# KiCad board P5S533-TVM ISA R101G.kicad_pcb (continued)
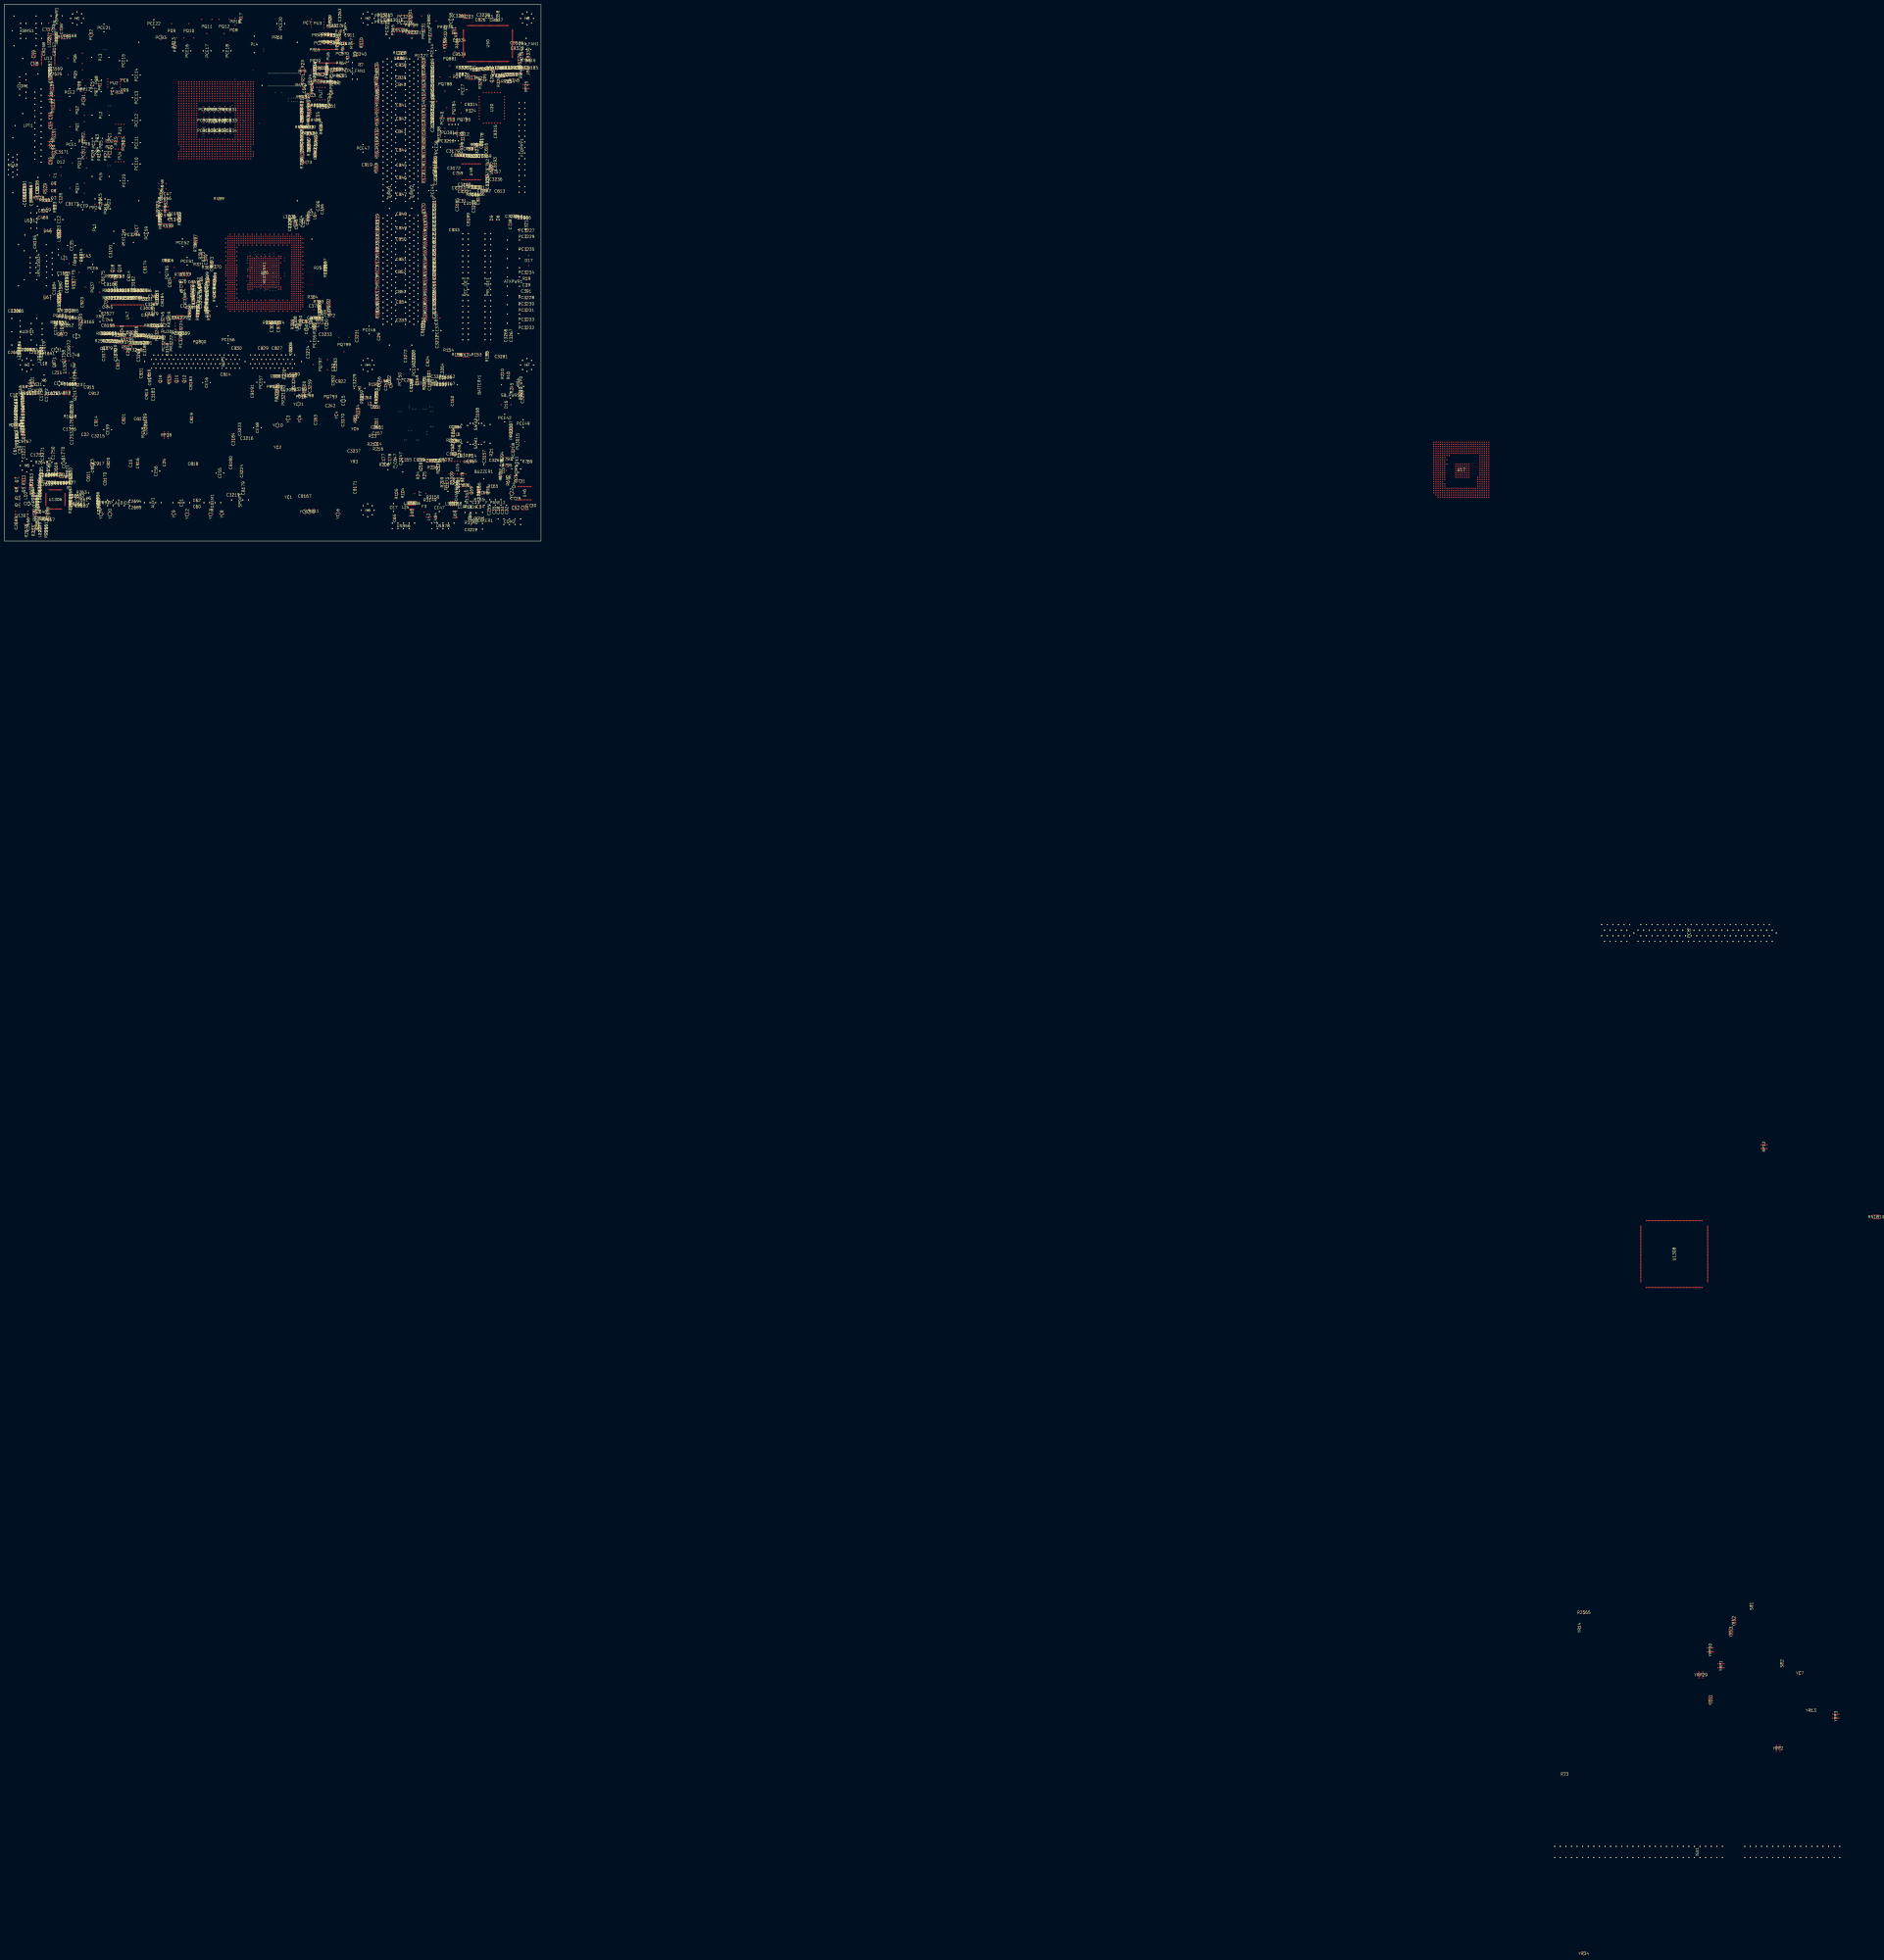
[diagram p0: board, top side]
## Footprints (pads in the part's own frame, mm; a bottom-side part is the same pattern mirrored in y, then rotated) (continued)
BOX_HD_2X17P_100_K5_D46_LF3
  round 0.6 hole 0.4: 1(-20.32,-1.27) 2(-20.32,1.27) 3(-17.78,-1.27) 4(-17.78,1.27) 6(-15.24,1.27) 7(-12.7,-1.27) 8(-12.7,1.27) 9(-10.16,-1.27) 10(-10.16,1.27) 11(-7.62,-1.27) 12(-7.62,1.27) 13(-5.08,-1.27) 14(-5.08,1.27) 15(-2.54,-1.27) 16(-2.54,1.27) 17(0,-1.27) 18(0,1.27) 19(2.54,-1.27) 20(2.54,1.27) 21(5.08,-1.27) 22(5.08,1.27) 23(7.62,-1.27) 24(7.62,1.27) 25(10.16,-1.27) 26(10.16,1.27) 27(12.7,-1.27) 28(12.7,1.27) 29(15.24,-1.27) 30(15.24,1.27) 31(17.78,-1.27) 32(17.78,1.27) 33(20.32,-1.27) 34(20.32,1.27)
BOX_HD_2X20P_100_K20D46_LF3
  round 0.6 hole 0.4: 1(-24.13,-1.27) 2(-24.13,1.27) 3(-21.59,-1.27) 4(-21.59,1.27) 5(-19.05,-1.27) 6(-19.05,1.27) 7(-16.51,-1.27) 8(-16.51,1.27) 9(-13.97,-1.27) 10(-13.97,1.27) 11(-11.43,-1.27) 12(-11.43,1.27) 13(-8.89,-1.27) 14(-8.89,1.27) 15(-6.35,-1.27) 16(-6.35,1.27) 17(-3.81,-1.27) 18(-3.81,1.27) 19(-1.27,-1.27) 21(1.27,-1.27) 22(1.27,1.27) 23(3.81,-1.27) 24(3.81,1.27) 25(6.35,-1.27) 26(6.35,1.27) 27(8.89,-1.27) 28(8.89,1.27) 29(11.43,-1.27) 30(11.43,1.27) 31(13.97,-1.27) 32(13.97,1.27) 33(16.51,-1.27) 34(16.51,1.27) 35(19.05,-1.27) 36(19.05,1.27) 37(21.59,-1.27) 38(21.59,1.27) 39(24.13,-1.27) 40(24.13,1.27)
BUZZER_256_BD472_H394_LF3
  round 0.6 hole 0.4: 1(0,-3.251) 2(0,3.251)
C0402
  round 0.6 smd: 1(0,-0.432) 2(0,0.457)
C0402#2
  round 0.6 smd: 1(0,-0.457) 2(0,0.432)
C0402#3
  round 0.6 smd: 1(0,-0.432) 2(0,0.432)
C0402#4
  round 0.6 smd: 1(0,-0.457) 2(0,0.457)
C0402#5
  round 0.6 smd: 1(0,0.457) 2(0,0.457)
C0402#6
  round 0.6 smd: 1(0,0.635) 2(0,0.635)
C0402#7
  round 0.6 smd: 1(0,0.457) 2(0,-0.432)
C0402#8
  round 0.6 smd: 1(0,0.432) 2(0,-0.457)
C0603
  round 0.6 smd: 1(0,-0.635) 2(0,0.635)
C0603#2
  round 0.6 smd: 1(0,0.457) 2(0,0.457)
C0603#3
  round 0.6 smd: 1(0,0.635) 2(0,0.635)
C0603#4
  round 0.6 smd: 1(0,0.635) 2(0,-0.635)
C0805
  round 0.6 smd: 1(0,-1.041) 2(0,1.041)
C0805_H57
  round 0.6 smd: 1(0,-1.041) 2(0,1.016)
C1206
  round 0.6 smd: 1(0,-1.676) 2(0,1.676)
C1206#2
  round 0.6 smd: 1(0,0.635) 2(0,0.635)
C1206#3
  round 0.6 smd: 1(0,0.457) 2(0,0.457)
C1206_H75
  round 0.6 smd: 1(0,-1.676) 2(0,1.676)
C1206_RD9
  round 0.6 smd: 1(0,-1.321) 2(0,1.321)
C7343D_H122
  round 0.6 smd: 1(0,-3.277) 2(0,3.277)
C_ARRAY_8P_126X63
  round 0.6 smd: 1(-1.194,-0.864) 2(-1.194,0.864) 3(-0.406,-0.864) 4(-0.406,0.864) 5(0.406,-0.864) 6(0.406,0.864) 7(1.194,-0.864) 8(1.194,0.864)
C_ARRAY_8P_126X63#2
  round 0.6 smd: 1(-1.194,-0.864) 2(-1.194,0.838) 3(-0.406,-0.864) 4(-0.406,0.838) 5(0.406,-0.864) 6(0.406,0.838) 7(1.194,-0.864) 8(1.194,0.838)
CHOKE_4P_79X47_FUKUI
  round 0.6 smd: 1(0.432,-0.838) 2(0.432,0.838) 3(-0.432,0.838) 4(-0.432,-0.838)
COIL_295_BD669_HD101_3H_LF3
  round 0.6 hole 0.4: 1(0,-3.734) 2(0,3.759)
COIL_307_BD669_HD101_3V_LF3
  round 0.6 hole 0.4: 1(0,-3.912) 2(0,3.912)
COIL_394_BD354_V_H610_LF3
  round 0.6 hole 0.4: 1(0,0.533) 2(0,0.533)
D_SUB_9P_2HOLD_M_LF3
  round 0.6 hole 0.4: 1(-1.422,-5.537) 2(-1.422,-2.769) 3(-1.422,0) 4(-1.422,2.769) 5(-1.422,5.537) 6(1.422,-4.14) 7(1.422,-1.372) 8(1.422,1.397) 9(1.422,4.166) 10(0,-12.497) 11(0,12.497)
D_SUB_15P3R_2HOLD_SB_LF3
  round 0.6 hole 0.4: 1(2.007,-4.318) 2(2.007,-2.032) 3(2.007,0.254) 4(2.007,2.54) 5(2.007,4.826) 6(0,-5.461) 7(0,-3.175) 8(0,-0.889) 9(0,1.397) 10(0,3.683) 11(-2.007,-4.318) 12(-2.007,-2.032) 13(-2.007,0.254) 14(-2.007,2.54) 15(-2.007,4.826) 16(0,-12.497) 17(0,12.497)
D_SUB_25P2R_3HOLD_H_LF3
  round 0.6 hole 0.4: 1(5.893,-16.637) 2(5.893,-13.868) 3(5.893,-11.074) 4(5.893,-8.306) 5(5.893,-5.537) 6(5.893,-2.769) 7(5.893,0) 8(5.893,2.769) 9(5.893,5.537) 10(5.893,8.306) 11(5.893,11.074) 12(5.893,13.843) 13(5.893,16.612) 14(3.048,-15.24) 15(3.048,-12.471) 16(3.048,-9.703) 17(3.048,-6.934) 18(3.048,-4.166) 19(3.048,-1.397) 20(3.048,1.372) 21(3.048,4.14) 22(3.048,6.909) 23(3.048,9.677) 24(3.048,12.446) 25(3.048,15.24) 26(4.47,-23.52) 27(4.47,23.52) 28(-5.893,0)
DDR_184P_100_LF3
  round 0.6 hole 0.4: 1(60.325,0.965) 2(59.055,2.87) 3(57.785,0.965) 4(56.515,2.87) 5(55.245,0.965) 6(53.975,2.87) 7(52.705,0.965) 8(51.435,2.87) 9(50.165,0.965) 10(48.895,2.87) 11(47.625,0.965) 12(46.355,2.87) 13(45.085,0.965) 14(43.815,2.87) 15(42.545,0.965) 16(41.275,2.87) 17(40.005,0.965) 18(38.735,2.87) 19(37.465,0.965) 20(36.195,2.87) 21(34.925,0.965) 22(33.655,2.87) 23(32.385,0.965) 24(31.115,2.87) 25(29.845,0.965) 26(28.575,2.87) 27(27.305,0.965) 28(26.035,2.87) 29(24.765,0.965) 30(23.495,2.87) 31(22.225,0.965) 32(20.955,2.87) 33(19.685,0.965) 34(18.415,2.87) 35(17.145,0.965) 36(15.875,2.87) 37(14.605,0.965) 38(13.335,2.87) 39(12.065,0.965) 40(10.795,2.87) 41(9.525,0.965) 42(8.255,2.87) 43(6.985,0.965) 44(5.715,2.87) 45(4.445,0.965) 46(3.175,2.87) 47(1.905,0.965) 48(0.635,2.87) 49(-0.635,0.965) 50(-1.905,2.87) 51(-3.175,0.965) 52(-4.445,2.87) 53(-10.795,0.965) 54(-12.065,2.87) 55(-13.335,0.965) 56(-14.605,2.87) 57(-15.875,0.965) 58(-17.145,2.87) 59(-18.415,0.965) 60(-19.685,2.87) 61(-20.955,0.965) 62(-22.225,2.87) 63(-23.495,0.965) 64(-24.765,2.87) 65(-26.035,0.965) 66(-27.305,2.87) 67(-28.575,0.965) 68(-29.845,2.87) 69(-31.115,0.965) 70(-32.385,2.87) 71(-33.655,0.965) 72(-34.925,2.87) 73(-36.195,0.965) 74(-37.465,2.87) 75(-38.735,0.965) 76(-40.005,2.87) 77(-41.275,0.965) 78(-42.545,2.87) 79(-43.815,0.965) 80(-45.085,2.87) 81(-46.355,0.965) 82(-47.625,2.87) 83(-48.895,0.965) 84(-50.165,2.87) 85(-51.435,0.965) 86(-52.705,2.87) 87(-53.975,0.965) 88(-55.245,2.87) 89(-56.515,0.965) 90(-57.785,2.87) 91(-59.055,0.965) 92(-60.325,2.87) 93(60.325,-2.845) 94(59.055,-0.94) 95(57.785,-2.845) 96(56.515,-0.94) 97(55.245,-2.845) 98(53.975,-0.94) 99(52.705,-2.845) 100(51.435,-0.94) 101(50.165,-2.845) 102(48.895,-0.94) 103(47.625,-2.845) 104(46.355,-0.94) 105(45.085,-2.845) 106(43.815,-0.94) 107(42.545,-2.845) 108(41.275,-0.94) 109(40.005,-2.845) 110(38.735,-0.94) 111(37.465,-2.845) 112(36.195,-0.94) 113(34.925,-2.845) 114(33.655,-0.94) 115(32.385,-2.845) 116(31.115,-0.94) 117(29.845,-2.845) 118(28.575,-0.94) 119(27.305,-2.845) 120(26.035,-0.94) 121(24.765,-2.845) 122(23.495,-0.94) 123(22.225,-2.845) 124(20.955,-0.94) 125(19.685,-2.845) 126(18.415,-0.94) 127(17.145,-2.845) 128(15.875,-0.94) 129(14.605,-2.845) 130(13.335,-0.94) 131(12.065,-2.845) 132(10.795,-0.94) 133(9.525,-2.845) 134(8.255,-0.94) 135(6.985,-2.845) 136(5.715,-0.94) 137(4.445,-2.845) 138(3.175,-0.94) 139(1.905,-2.845) 140(0.635,-0.94) 141(-0.635,-2.845) 142(-1.905,-0.94) 143(-3.175,-2.845) 144(-4.445,-0.94) 145(-10.795,-2.845) 146(-12.065,-0.94) 147(-13.335,-2.845) 148(-14.605,-0.94) 149(-15.875,-2.845) 150(-17.145,-0.94) 151(-18.415,-2.845) 152(-19.685,-0.94) 153(-20.955,-2.845) 154(-22.225,-0.94) 155(-23.495,-2.845) 156(-24.765,-0.94) 157(-26.035,-2.845) 158(-27.305,-0.94) 159(-28.575,-2.845) 160(-29.845,-0.94) 161(-31.115,-2.845) 162(-32.385,-0.94) 163(-33.655,-2.845) 164(-34.925,-0.94) 165(-36.195,-2.845) 166(-37.465,-0.94) 167(-38.735,-2.845) 168(-40.005,-0.94) 169(-41.275,-2.845) 170(-42.545,-0.94) 171(-43.815,-2.845) 172(-45.085,-0.94) 173(-46.355,-2.845) 174(-47.625,-0.94) 175(-48.895,-2.845) 176(-50.165,-0.94) 177(-51.435,-2.845) 178(-52.705,-0.94) 179(-53.975,-2.845) 180(-55.245,-0.94) 181(-56.515,-2.845) 182(-57.785,-0.94) 183(-59.055,-2.845) 184(-60.325,-0.94) 185(-7.62,0) 186(-69.748,0) 187(69.723,0)
HD_1X2P_100_LF3
  round 0.6 hole 0.4: 1(0,-1.27) 2(0,1.27)
HD_1X3P_100_LF3
  round 0.6 hole 0.4: 1(0,-2.54) 2(0,0) 3(0,2.54)
HD_1X4P_100_K2_LF3
  round 0.6 hole 0.4: 1(0,-3.81) 3(0,1.27) 4(0,3.81)
HD_1X4P_100_LF3
  round 0.6 hole 0.4: 1(0,-3.81) 2(0,-1.27) 3(0,1.27) 4(0,3.81)
HD_1X5P_100_K2_LF3
  round 0.6 hole 0.4: 1(0,-5.08) 3(0,0) 4(0,2.54) 5(0,5.08)
HD_2X5P_100_K8_LF3
  round 0.6 hole 0.4: 1(-5.08,-1.27) 2(-5.08,1.27) 3(-2.54,-1.27) 4(-2.54,1.27) 5(0,-1.27) 6(0,1.27) 7(2.54,-1.27) 9(5.08,-1.27) 10(5.08,1.27)
HD_2X5P_100_K9_USB_HD46_LF3
  round 0.6 hole 0.4: 1(-5.08,-1.27) 2(-5.08,1.27) 3(-2.54,-1.27) 4(-2.54,1.27) 5(0,-1.27) 6(0,1.27) 7(2.54,-1.27) 8(2.54,1.27) 10(5.08,1.27)
HD_2X5P_100_K10_FXCN_LF3
  round 0.6 hole 0.4: 1(-5.08,-1.27) 2(-5.08,1.27) 3(-2.54,-1.27) 4(-2.54,1.27) 5(0,-1.27) 6(0,1.27) 7(2.54,-1.27) 8(2.54,1.27) 9(5.08,-1.27)
L0603
  round 0.6 smd: 1(0,-0.635) 2(0,0.635)
L0603#2
  round 0.6 smd: 1(0,0.635) 2(0,0.635)
L0805
  round 0.6 smd: 1(0,-1.041) 2(0,1.041)
L0805_H43
  round 0.6 smd: 1(0,-1.041) 2(0,1.041)
LED_D_2P_100_BD157_LF3
  round 0.6 hole 0.4: 1(0,-1.27) 2(0,1.27)
MB_CE_10U_25V_4X5_LFH
  round 0.6 hole 0.4: 1(0,-0.762) 2(0,0.762)
MB_CE_100U_16V_5X11_LFH
  round 0.6 hole 0.4: 1(0,-0.991) 2(0,0.991)
MB_CE_330U_6D3V_6D3X11_LFH
  round 0.6 hole 0.4: 1(0,-1.245) 2(0,1.245)
MB_CE_680U_4V_8X8_LFH
  round 0.6 hole 0.4: 1(0,-1.753) 2(0,1.753)
MB_CE_680U_4V_8X8_LFH#2
  round 0.6 hole 0.4: 1(0,-1.753) 2(0,1.727)
MB_CE_820U_2D5V_8X9_LFH
  round 0.6 hole 0.4: 1(0,-1.753) 2(0,1.727)
MB_CE_820U_6D3V_8X12_LFH
  round 0.6 hole 0.4: 1(0,-1.753) 2(0,1.753)
MB_CE_1000U_16V_8X20_LFH
  round 0.6 hole 0.4: 1(0,-1.753) 2(0,1.753)
MB_CE_1800U_6D3V_8X20_LFH
  round 0.6 hole 0.4: 1(0,-1.753) 2(0,1.753)
MB_HOLE_160_T_LF3
  round 0.6 hole 0.4: 1(-2.921,0) 2(-2.057,2.057) 3(0,2.921) 4(2.057,2.057) 5(2.921,0) 6(2.057,-2.057) 7(0,-2.921) 8(-2.057,-2.083) 9(0,0)
MB_HOLE_160_T_R_LF3
  round 0.6 hole 0.4: 1(-2.921,0) 2(-2.057,2.057) 3(0,2.921) 4(2.057,2.057) 5(2.921,0) 6(2.057,-2.057) 7(0,-2.921) 8(-2.057,-2.083) 9(0,0)
MB_HOLE_160_T_U_LF3
  round 0.6 hole 0.4: 1(-2.921,0) 2(-2.057,2.057) 3(0,2.921) 4(2.057,2.057) 5(2.921,0) 6(2.057,-2.057) 7(0,-2.921) 8(-2.057,-2.083) 9(0,0)
MB_HOLE_160_T_UR_LF3
  round 0.6 hole 0.4: 1(-2.921,0) 2(-2.057,2.057) 3(0,2.921) 4(2.057,2.057) 5(2.921,0) 6(2.057,-2.057) 7(0,-2.921) 8(-2.057,-2.083) 9(0,0)
MB_LAN_USBX2_LEDX2_STC_LF3
  round 0.6 hole 0.4: 1(-3.505,1.118) 2(-3.505,3.734) 3(-1.016,1.118) 4(-1.016,3.734) 5(0.991,1.118) 6(0.991,3.734) 7(3.48,1.118) 8(3.48,3.734) 9(-5.715,-3.708) 10(-4.445,-6.248) 11(-3.175,-3.708) 12(-1.905,-6.248) 13(-0.635,-3.708) 14(0.635,-6.248) 15(1.905,-3.708) 16(3.175,-6.248) 17(4.445,-3.708) 18(5.715,-6.248) 19(-7.214,-9.068) 20(-4.674,-9.068) 21(4.648,-9.068) 22(7.188,-9.068) 23(-6.579,0.762) 24(-6.579,6.452) 25(-9.373,-3.607) 26(-9.373,9.093) 27(6.553,0.762) 28(6.553,6.452) 29(9.347,-3.607) 30(9.347,9.093)
MB_SHORTPIN_RECTANGLE_LF3
  round 0.6 smd: 1(0,-0.533) 2(0,0.508)
MB_TO252_LF3
  round 0.6 smd: 1(-2.286,-3.251) 2(0.025,3.251) 3(2.311,-3.251)
MB_WF_HD_1X4P_100_HD_LF3
  round 0.6 hole 0.4: 1(1.092,-3.81) 2(1.092,-1.27) 3(1.092,1.27) 4(1.092,3.81) 5(-1.067,3.81)
MB_XTAL_2P_452X180_2HLD_LF3
  round 0.6 hole 0.4: 1(3.378,-1.27) 2(3.378,1.27) 3(-3.353,2.286) 4(-3.353,-2.286)
MB_XTAL_2P_452X197_H145_LFH
  round 0.6 hole 0.4: 1(0,-2.438) 2(0,2.438) 3(0,0)
MINI_DIN_2X6P_5HOLD_KBMS_LF3
  round 0.6 hole 0.4: 1(-2.87,-1.295) 2(-2.87,1.295) 3(-2.87,-3.404) 4(-2.87,3.404) 5(-0.381,-3.404) 6(-0.381,3.404) 7(4.191,-1.295) 8(4.191,1.295) 9(4.191,-3.404) 10(4.191,3.404) 11(6.68,-3.404) 12(6.68,3.404) 13(4.191,-6.756) 14(4.191,6.756) 15(-5.867,-6.756) 16(-5.867,6.756) 17(-6.68,0)
PHONE_JACK_15P_UP_LF3
  round 0.6 hole 0.4: 1(3.099,0) 2(3.099,5.004) 3(3.099,2.489) 4(3.099,-2.489) 5(3.099,-5.004) 22(-1.905,3.759) 23(-1.905,1.245) 24(-1.905,-1.245) 25(-1.905,-3.759) 32(-6.909,3.759) 33(-6.909,1.245) 34(-6.909,-1.245) 35(-6.909,-3.759) 36(6.883,6.045) 37(6.883,-6.045) 38(-4.42,6.045) 39(-4.42,-6.045) 40(6.883,0)
PIN
  round 0.6 hole 0.4: 1(0,-3.81) 2(0,-1.27) 3(0,1.27) 4(0,3.81)
PLCC_SOCK_32P_50
  round 0.6 smd: 1(6.985,0) 2(6.985,1.27) 3(6.985,2.54) 4(6.985,3.81) 5(5.08,5.715) 6(3.81,5.715) 7(2.54,5.715) 8(1.27,5.715) 9(0,5.715) 10(-1.27,5.715) 11(-2.54,5.715) 12(-3.81,5.715) 13(-5.08,5.715) 14(-6.985,3.81) 15(-6.985,2.54) 16(-6.985,1.27) 17(-6.985,0) 18(-6.985,-1.27) 19(-6.985,-2.54) 20(-6.985,-3.81) 21(-5.08,-5.715) 22(-3.81,-5.715) 23(-2.54,-5.715) 24(-1.27,-5.715) 25(0,-5.715) 26(1.27,-5.715) 27(2.54,-5.715) 28(3.81,-5.715) 29(5.08,-5.715) 30(6.985,-3.81) 31(6.985,-2.54) 32(6.985,-1.27)
POLYSWITCH_2P_1812_H59
  round 0.6 smd: 1(0,-2.616) 2(0,2.616)
PORT
  round 0.6 hole 0.4: 1(-5.08,-1.27) 2(-5.08,1.27) 3(-2.54,-1.27) 4(-2.54,1.27) 5(0,-1.27) 6(0,1.27) 7(2.54,-1.27) 8(2.54,1.27) 9(5.08,-1.27)
PWR_2X2P_165_HOLD_LF3
  round 0.6 hole 0.4: 1(-2.743,-4.47) 2(-2.743,-0.254) 3(2.743,-4.47) 4(2.743,-0.254) 5(2.286,4.445)
PWR_2X10P_165_2HOLD_ATX_LF3
  round 0.6 hole 0.4: 1(-2.769,-18.898) 2(-2.769,-14.707) 3(-2.769,-10.49) 4(-2.769,-6.299) 5(-2.769,-2.108) 6(-2.769,2.108) 7(-2.769,6.299) 8(-2.769,10.49) 9(-2.769,14.707) 10(-2.769,18.898) 11(2.743,-18.898) 12(2.743,-14.707) 13(2.743,-10.49) 14(2.743,-6.299) 15(2.743,-2.108) 16(2.743,2.108) 17(2.743,6.299) 18(2.743,10.49) 19(2.743,14.707) 20(2.743,18.898) 21(2.286,-23.597) 22(2.286,23.597)
QFP_48P_20_354X354
  round 0.6 smd: 1(4.369,-2.743) 2(4.369,-2.235) 3(4.369,-1.753) 4(4.369,-1.245) 5(4.369,-0.737) 6(4.369,-0.254) 7(4.369,0.254) 8(4.369,0.762) 9(4.369,1.245) 10(4.369,1.753) 11(4.369,2.261) 12(4.369,2.769) 13(2.769,4.369) 14(2.261,4.369) 15(1.753,4.369) 16(1.27,4.369) 17(0.762,4.369) 18(0.254,4.369) 19(-0.229,4.369) 20(-0.737,4.369) 21(-1.245,4.369) 22(-1.753,4.369) 23(-2.235,4.369) 24(-2.743,4.369) 25(-4.343,2.769) 26(-4.343,2.261) 27(-4.343,1.753) 28(-4.343,1.245) 29(-4.343,0.762) 30(-4.343,0.254) 31(-4.343,-0.254) 32(-4.343,-0.737) 33(-4.343,-1.245) 34(-4.343,-1.753) 35(-4.343,-2.235) 36(-4.343,-2.743) 37(-2.743,-4.343) 38(-2.235,-4.343) 39(-1.753,-4.343) 40(-1.245,-4.343) 41(-0.737,-4.343) 42(-0.229,-4.343) 43(0.254,-4.343) 44(0.762,-4.343) 45(1.27,-4.343) 46(1.753,-4.343) 47(2.261,-4.343) 48(2.769,-4.343)
QFP_128P_20_913X677
  round 0.6 smd: 1(8.153,-9.246) 2(8.153,-8.738) 3(8.153,-8.255) 4(8.153,-7.747) 5(8.153,-7.239) 6(8.153,-6.756) 7(8.153,-6.248) 8(8.153,-5.74) 9(8.153,-5.258) 10(8.153,-4.75) 11(8.153,-4.242) 12(8.153,-3.759) 13(8.153,-3.251) 14(8.153,-2.743) 15(8.153,-2.261) 16(8.153,-1.753) 17(8.153,-1.245) 18(8.153,-0.762) 19(8.153,-0.254) 20(8.153,0.254) 21(8.153,0.762) 22(8.153,1.245) 23(8.153,1.753) 24(8.153,2.261) 25(8.153,2.743) 26(8.153,3.251) 27(8.153,3.759) 28(8.153,4.242) 29(8.153,4.75) 30(8.153,5.258) 31(8.153,5.74) 32(8.153,6.248) 33(8.153,6.756) 34(8.153,7.239) 35(8.153,7.747) 36(8.153,8.255) 37(8.153,8.738) 38(8.153,9.246) 39(6.248,11.151) 40(5.74,11.151) 41(5.258,11.151) 42(4.75,11.151) 43(4.242,11.151) 44(3.759,11.151) 45(3.251,11.151) 46(2.743,11.151) 47(2.261,11.151) 48(1.753,11.151) 49(1.245,11.151) 50(0.762,11.151) 51(0.254,11.151) 52(-0.254,11.151) 53(-0.762,11.151) 54(-1.245,11.151) 55(-1.753,11.151) 56(-2.261,11.151) 57(-2.743,11.151) 58(-3.251,11.151) 59(-3.759,11.151) 60(-4.242,11.151) 61(-4.75,11.151) 62(-5.258,11.151) 63(-5.74,11.151) 64(-6.248,11.151) 65(-8.153,9.246) 66(-8.153,8.738) 67(-8.153,8.255) 68(-8.153,7.747) 69(-8.153,7.239) 70(-8.153,6.756) 71(-8.153,6.248) 72(-8.153,5.74) 73(-8.153,5.258) 74(-8.153,4.75) 75(-8.153,4.242) 76(-8.153,3.759) 77(-8.153,3.251) 78(-8.153,2.743) 79(-8.153,2.261) 80(-8.153,1.753) 81(-8.153,1.245) 82(-8.153,0.762) 83(-8.153,0.254) 84(-8.153,-0.254) 85(-8.153,-0.762) 86(-8.153,-1.245) 87(-8.153,-1.753) 88(-8.153,-2.261) 89(-8.153,-2.743) 90(-8.153,-3.251) 91(-8.153,-3.759) 92(-8.153,-4.242) 93(-8.153,-4.75) 94(-8.153,-5.258) 95(-8.153,-5.74) 96(-8.153,-6.248) 97(-8.153,-6.756) 98(-8.153,-7.239) 99(-8.153,-7.747) 100(-8.153,-8.255) 101(-8.153,-8.738) 102(-8.153,-9.246) 103(-6.248,-11.151) 104(-5.74,-11.151) 105(-5.258,-11.151) 106(-4.75,-11.151) 107(-4.242,-11.151) 108(-3.759,-11.151) 109(-3.251,-11.151) 110(-2.743,-11.151) 111(-2.261,-11.151) 112(-1.753,-11.151) 113(-1.245,-11.151) 114(-0.762,-11.151) 115(-0.254,-11.151) 116(0.254,-11.151) 117(0.762,-11.151) 118(1.245,-11.151) 119(1.753,-11.151) 120(2.261,-11.151) 121(2.743,-11.151) 122(3.251,-11.151) 123(3.759,-11.151) 124(4.242,-11.151) 125(4.75,-11.151) 126(5.258,-11.151) 127(5.74,-11.151) 128(6.248,-11.151)
QFP_160P_26_1229X1229_H145
  round 0.6 smd: 1(15.189,-12.675) 2(15.189,-12.014) 3(15.189,-11.379) 4(15.189,-10.719) 5(15.189,-10.084) 6(15.189,-9.423) 7(15.189,-8.763) 8(15.189,-8.128) 9(15.189,-7.468) 10(15.189,-6.833) 11(15.189,-6.172) 12(15.189,-5.537) 13(15.189,-4.877) 14(15.189,-4.216) 15(15.189,-3.581) 16(15.189,-2.921) 17(15.189,-2.286) 18(15.189,-1.626) 19(15.189,-0.965) 20(15.189,-0.33) 21(15.189,0.33) 22(15.189,0.965) 23(15.189,1.626) 24(15.189,2.286) 25(15.189,2.921) 26(15.189,3.581) 27(15.189,4.216) 28(15.189,4.877) 29(15.189,5.537) 30(15.189,6.172) 31(15.189,6.833) 32(15.189,7.468) 33(15.189,8.128) 34(15.189,8.763) 35(15.189,9.423) 36(15.189,10.084) 37(15.189,10.719) 38(15.189,11.379) 39(15.189,12.014) 40(15.189,12.675) 41(12.675,15.189) 42(12.014,15.189) 43(11.379,15.189) 44(10.719,15.189) 45(10.084,15.189) 46(9.423,15.189) 47(8.763,15.189) 48(8.128,15.189) 49(7.468,15.189) 50(6.833,15.189) 51(6.172,15.189) 52(5.537,15.189) 53(4.877,15.189) 54(4.216,15.189) 55(3.581,15.189) 56(2.921,15.189) 57(2.286,15.189) 58(1.626,15.189) 59(0.965,15.189) 60(0.33,15.189) 61(-0.33,15.189) 62(-0.965,15.189) 63(-1.626,15.189) 64(-2.286,15.189) 65(-2.921,15.189) 66(-3.581,15.189) 67(-4.216,15.189) 68(-4.877,15.189) 69(-5.537,15.189) 70(-6.172,15.189) 71(-6.833,15.189) 72(-7.468,15.189) 73(-8.128,15.189) 74(-8.763,15.189) 75(-9.423,15.189) 76(-10.084,15.189) 77(-10.719,15.189) 78(-11.379,15.189) 79(-12.014,15.189) 80(-12.675,15.189) 81(-15.189,12.675) 82(-15.189,12.014) 83(-15.189,11.379) 84(-15.189,10.719) 85(-15.189,10.084) 86(-15.189,9.423) 87(-15.189,8.763) 88(-15.189,8.128) 89(-15.189,7.468) 90(-15.189,6.833) 91(-15.189,6.172) 92(-15.189,5.537) 93(-15.189,4.877) 94(-15.189,4.216) 95(-15.189,3.581) 96(-15.189,2.921) 97(-15.189,2.286) 98(-15.189,1.626) 99(-15.189,0.965) 100(-15.189,0.33) 101(-15.189,-0.33) 102(-15.189,-0.965) 103(-15.189,-1.626) 104(-15.189,-2.286) 105(-15.189,-2.921) 106(-15.189,-3.581) 107(-15.189,-4.216) 108(-15.189,-4.877) 109(-15.189,-5.537) 110(-15.189,-6.172) 111(-15.189,-6.833) 112(-15.189,-7.468) 113(-15.189,-8.128) 114(-15.189,-8.763) 115(-15.189,-9.423) 116(-15.189,-10.084) 117(-15.189,-10.719) 118(-15.189,-11.379) 119(-15.189,-12.014) 120(-15.189,-12.675) 121(-12.675,-15.189) 122(-12.014,-15.189) 123(-11.379,-15.189) 124(-10.719,-15.189) 125(-10.084,-15.189) 126(-9.423,-15.189) 127(-8.763,-15.189) 128(-8.128,-15.189) 129(-7.468,-15.189) 130(-6.833,-15.189) 131(-6.172,-15.189) 132(-5.537,-15.189) 133(-4.877,-15.189) 134(-4.216,-15.189) 135(-3.581,-15.189) 136(-2.921,-15.189) 137(-2.286,-15.189) 138(-1.626,-15.189) 139(-0.965,-15.189) 140(-0.33,-15.189) 141(0.33,-15.189) 142(0.965,-15.189) 143(1.626,-15.189) 144(2.286,-15.189) 145(2.921,-15.189) 146(3.581,-15.189) 147(4.216,-15.189) 148(4.877,-15.189) 149(5.537,-15.189) 150(6.172,-15.189) 151(6.833,-15.189) 152(7.468,-15.189) 153(8.128,-15.189) 154(8.763,-15.189) 155(9.423,-15.189) 156(10.084,-15.189) 157(10.719,-15.189) 158(11.379,-15.189) 159(12.014,-15.189) 160(12.675,-15.189)
R0402_H16
  round 0.6 smd: 1(0,-0.432) 2(0,0.457)
R0402_H16#2
  round 0.6 smd: 1(0,-0.457) 2(0,0.432)
R0402_NOMASK
  round 0.6 smd: 1(0,0.432) 2(0,-0.457)
R0603
  round 0.6 smd: 1(0,-0.635) 2(0,0.635)
R0603_H20
  round 0.6 smd: 1(0,-0.635) 2(0,0.635)
R0603_H24
  round 0.6 smd: 1(0,-0.635) 2(0,0.635)
R0603_NOMASK
  round 0.6 smd: 1(0,-0.635) 2(0,0.635)
R0805
  round 0.6 smd: 1(0,-1.041) 2(0,1.041)
R0805_H24
  round 0.6 smd: 1(0,-1.041) 2(0,1.041)
R1206
  round 0.6 smd: 1(0,-1.549) 2(0,1.549)
SATA_7P_50_2HOLD_WIN2
  round 0.6 hole 0.4: 1(-0.508,-3.81) 2(0.508,-2.54) 3(0.508,-1.27) 4(-0.508,0) 5(0.508,1.27) 6(0.508,2.54) 7(-0.508,3.81) 8(0,-6.477) 9(0,6.477)
SCONN60_EPG082001_NONMASK
  round 0.6 smd: 1(-7.239,-2.87) 2(-7.239,2.87) 3(-6.756,-2.87) 4(-6.756,2.87) 5(-6.248,-2.87) 6(-6.248,2.87) 7(-5.74,-2.87) 8(-5.74,2.87) 9(-5.258,-2.87) 10(-5.258,2.87) 11(-4.75,-2.87) 12(-4.75,2.87) 13(-4.242,-2.87) 14(-4.242,2.87) 15(-3.759,-2.87) 16(-3.759,2.87) 17(-3.251,-2.87) 18(-3.251,2.87) 19(-2.743,-2.87) 20(-2.743,2.87) 21(-2.261,-2.87) 22(-2.261,2.87) 23(-1.753,-2.87) 24(-1.753,2.87) 25(-1.245,-2.87) 26(-1.245,2.87) 27(-0.762,-2.87) 28(-0.762,2.87) 29(-0.254,-2.87) 30(-0.254,2.87) 31(0.254,-2.87) 32(0.254,2.87) 33(0.762,-2.87) 34(0.762,2.87) 35(1.245,-2.87) 36(1.245,2.87) 37(1.753,-2.87) 38(1.753,2.87) 39(2.261,-2.87) 40(2.261,2.87) 41(2.743,-2.87) 42(2.743,2.87) 43(3.251,-2.87) 44(3.251,2.87) 45(3.759,-2.87) 46(3.759,2.87) 47(4.242,-2.87) 48(4.242,2.87) 49(4.75,-2.87) 50(4.75,2.87) 51(5.258,-2.87) 52(5.258,2.87) 53(5.74,-2.87) 54(5.74,2.87) 55(6.248,-2.87) 56(6.248,2.87) 57(6.756,-2.87) 58(6.756,2.87) 59(7.239,-2.87) 60(7.239,2.87)
  round 0.6 hole 0.4: 61(-10.058,2.667) 62(10.058,2.667)
SHORTPIN
  round 0.6 smd: 1(0,-0.508) 2(0,0.533)
SHORTPIN#2
  round 0.6 smd: 1(0,0.508) 2(0,-0.533)
SINK
  round 0.6 hole 0.4: 1(15.24,-21.615) 2(-15.24,21.615)
SLOT_AGP_124P_79_RETN_LF3
  round 0.6 hole 0.4: 1(0,-35.636) 2(0,10.008) 3(0,35.636) 4(-0.991,-32.512) 5(-2.997,-31.496) 6(-0.991,-30.505) 7(-2.997,-29.515) 8(-0.991,-28.499) 9(-2.997,-27.508) 10(-0.991,-26.492) 11(-2.997,-25.502) 12(-0.991,-24.511) 13(-2.997,-23.495) 14(-0.991,-22.504) 15(-2.997,-21.514) 16(-0.991,-20.498) 17(-2.997,-19.507) 18(-0.991,-18.491) 19(-2.997,-17.501) 20(-0.991,-16.51) 21(-2.997,-15.494) 22(-0.991,-14.503) 23(-2.997,-13.513) 24(-0.991,-12.497) 25(-2.997,-11.506) 26(-0.991,-10.516) 27(-2.997,-9.5) 28(-0.991,-8.509) 29(-2.997,-7.493) 30(-0.991,-6.502) 31(-2.997,-5.512) 32(-0.991,-4.496) 33(-2.997,-3.505) 34(-0.991,-2.515) 35(-2.997,-1.499) 36(-0.991,-0.508) 37(-2.997,0.508) 38(-0.991,1.499) 39(-2.997,2.489) 40(-0.991,3.505) 41(-2.997,4.496) 42(-0.991,5.486) 43(-2.997,6.502) 44(-0.991,7.493) 45(-2.997,12.497) 46(-0.991,13.487) 47(-2.997,14.503) 48(-0.991,15.494) 49(-2.997,16.485) 50(-0.991,17.501) 51(-2.997,18.491) 52(-0.991,19.507) 53(-2.997,20.498) 54(-0.991,21.488) 55(-2.997,22.504) 56(-0.991,23.495) 57(-2.997,24.486) 58(-0.991,25.502) 59(-2.997,26.492) 60(-0.991,27.508) 61(-2.997,28.499) 62(-0.991,29.489) 63(-2.997,30.505) 64(-0.991,31.496) 65(-2.997,32.487) 66(2.997,-32.512) 67(0.991,-31.496) 68(2.997,-30.505) 69(0.991,-29.515) 70(2.997,-28.499) 71(0.991,-27.508) 72(2.997,-26.492) 73(0.991,-25.502) 74(2.997,-24.511) 75(0.991,-23.495) 76(2.997,-22.504) 77(0.991,-21.514) 78(2.997,-20.498) 79(0.991,-19.507) 80(2.997,-18.491) 81(0.991,-17.501) 82(2.997,-16.51) 83(0.991,-15.494) 84(2.997,-14.503) 85(0.991,-13.513) 86(2.997,-12.497) 87(0.991,-11.506) 88(2.997,-10.516) 89(0.991,-9.5) 90(2.997,-8.509) 91(0.991,-7.493) 92(2.997,-6.502) 93(0.991,-5.512) 94(2.997,-4.496) 95(0.991,-3.505) 96(2.997,-2.515) 97(0.991,-1.499) 98(2.997,-0.508) 99(0.991,0.508) 100(2.997,1.499) 101(0.991,2.489) 102(2.997,3.505) 103(0.991,4.496) 104(2.997,5.486) 105(0.991,6.502) 106(2.997,7.493) 107(0.991,12.497) 108(2.997,13.487) 109(0.991,14.503) 110(2.997,15.494) 111(0.991,16.485) 112(2.997,17.501) 113(0.991,18.491) 114(2.997,19.507) 115(0.991,20.498) 116(2.997,21.488) 117(0.991,22.504) 118(2.997,23.495) 119(0.991,24.486) 120(2.997,25.502) 121(0.991,26.492) 122(2.997,27.508) 123(0.991,28.499) 124(2.997,29.489) 125(0.991,30.505) 126(2.997,31.496) 127(0.991,32.487)
SLOT_ISA_98P_100_STAR_LF3
  round 0.6 hole 0.4: 1(2.54,-64.77) 2(2.54,-62.23) 3(2.54,-59.69) 4(2.54,-57.15) 5(2.54,-54.61) 6(2.54,-52.07) 7(2.54,-49.53) 8(2.54,-46.99) 9(2.54,-44.45) 10(2.54,-41.91) 11(2.54,-39.37) 12(2.54,-36.83) 13(2.54,-34.29) 14(2.54,-31.75) 15(2.54,-29.21) 16(2.54,-26.67) 17(2.54,-24.13) 18(2.54,-21.59) 19(2.54,-19.05) 20(2.54,-16.51) 21(2.54,-13.97) 22(2.54,-11.43) 23(2.54,-8.89) 24(2.54,-6.35) 25(2.54,-3.81) 26(2.54,-1.27) 27(2.54,1.27) 28(2.54,3.81) 29(2.54,6.35) 30(2.54,8.89) 31(2.54,11.43) 32(-2.54,-64.77) 33(-2.54,-62.23) 34(-2.54,-59.69) 35(-2.54,-57.15) 36(-2.54,-54.61) 37(-2.54,-52.07) 38(-2.54,-49.53) 39(-2.54,-46.99) 40(-2.54,-44.45) 41(-2.54,-41.91) 42(-2.54,-39.37) 43(-2.54,-36.83) 44(-2.54,-34.29) 45(-2.54,-31.75) 46(-2.54,-29.21) 47(-2.54,-26.67) 48(-2.54,-24.13) 49(-2.54,-21.59) 50(-2.54,-19.05) 51(-2.54,-16.51) 52(-2.54,-13.97) 53(-2.54,-11.43) 54(-2.54,-8.89) 55(-2.54,-6.35) 56(-2.54,-3.81) 57(-2.54,-1.27) 58(-2.54,1.27) 59(-2.54,3.81) 60(-2.54,6.35) 61(-2.54,8.89) 62(-2.54,11.43) 63(2.54,21.59) 64(2.54,24.13) 65(2.54,26.67) 66(2.54,29.21) 67(2.54,31.75) 68(2.54,34.29) 69(2.54,36.83) 70(2.54,39.37) 71(2.54,41.91) 72(2.54,44.45) 73(2.54,46.99) 74(2.54,49.53) 75(2.54,52.07) 76(2.54,54.61) 77(2.54,57.15) 78(2.54,59.69) 79(2.54,62.23) 80(2.54,64.77) 81(-2.54,21.59) 82(-2.54,24.13) 83(-2.54,26.67) 84(-2.54,29.21) 85(-2.54,31.75) 86(-2.54,34.29) 87(-2.54,36.83) 88(-2.54,39.37) 89(-2.54,41.91) 90(-2.54,44.45) 91(-2.54,46.99) 92(-2.54,49.53) 93(-2.54,52.07) 94(-2.54,54.61) 95(-2.54,57.15) 96(-2.54,59.69) 97(-2.54,62.23) 98(-2.54,64.77)